# Allegro board SDHCalFEB.brd (continued)
## Nets (continued)
ESD_SIGNAL50_ASIC_D3: C1268.1 R1216.2 U960.3(COM)
ESD_SIGNAL50_ASIC_D4: C1355.1 R1299.2 U1025.3(COM)
ESD_SIGNAL51_ASIC_A1: C51.1 R51.2 U51.3(COM)
ESD_SIGNAL51_ASIC_A2: C138.1 R135.2 U116.3(COM)
ESD_SIGNAL51_ASIC_A3: C225.1 R218.2 U181.3(COM)
ESD_SIGNAL51_ASIC_B1: C399.1 R384.2 U311.3(COM)
ESD_SIGNAL51_ASIC_B5: C486.1 R468.2 U376.3(COM)
ESD_SIGNAL51_ASIC_B6: C573.1 R551.2 U441.3(COM)
ESD_SIGNAL51_ASIC_C1: C747.1 R717.2 U571.3(COM)
ESD_SIGNAL51_ASIC_C2: C834.1 R801.2 U636.3(COM)
ESD_SIGNAL51_ASIC_C3: C921.1 R884.2 U701.3(COM)
ESD_SIGNAL51_ASIC_D1: C1095.1 R1050.2 U831.3(COM)
ESD_SIGNAL51_ASIC_D2: C1182.1 R1134.2 U896.3(COM)
ESD_SIGNAL51_ASIC_D3: C1269.1 R1217.2 U961.3(COM)
ESD_SIGNAL51_ASIC_D4: C1356.1 R1300.2 U1026.3(COM)
ESD_SIGNAL52_ASIC_A1: C52.1 R52.2 U52.3(COM)
ESD_SIGNAL52_ASIC_A2: C139.1 R136.2 U117.3(COM)
ESD_SIGNAL52_ASIC_A3: C226.1 R219.2 U182.3(COM)
ESD_SIGNAL52_ASIC_B1: C400.1 R385.2 U312.3(COM)
ESD_SIGNAL52_ASIC_B5: C487.1 R469.2 U377.3(COM)
ESD_SIGNAL52_ASIC_B6: C574.1 R552.2 U442.3(COM)
ESD_SIGNAL52_ASIC_C1: C748.1 R718.2 U572.3(COM)
ESD_SIGNAL52_ASIC_C2: C835.1 R802.2 U637.3(COM)
ESD_SIGNAL52_ASIC_C3: C922.1 R885.2 U702.3(COM)
ESD_SIGNAL52_ASIC_D1: C1096.1 R1051.2 U832.3(COM)
ESD_SIGNAL52_ASIC_D2: C1183.1 R1135.2 U897.3(COM)
ESD_SIGNAL52_ASIC_D3: C1270.1 R1218.2 U962.3(COM)
ESD_SIGNAL52_ASIC_D4: C1357.1 R1301.2 U1027.3(COM)
ESD_SIGNAL53_ASIC_A1: C53.1 R53.2 U53.3(COM)
ESD_SIGNAL53_ASIC_A2: C140.1 R137.2 U118.3(COM)
ESD_SIGNAL53_ASIC_A3: C227.1 R220.2 U183.3(COM)
ESD_SIGNAL53_ASIC_A4: C314.1 R303.2 U248.3(COM)
ESD_SIGNAL53_ASIC_B1: C401.1 R386.2 U313.3(COM)
ESD_SIGNAL53_ASIC_B5: C488.1 R470.2 U378.3(COM)
ESD_SIGNAL53_ASIC_B6: C575.1 R553.2 U443.3(COM)
ESD_SIGNAL53_ASIC_B7: C662.1 R636.2 U508.3(COM)
ESD_SIGNAL53_ASIC_C1: C749.1 R719.2 U573.3(COM)
ESD_SIGNAL53_ASIC_C2: C836.1 R803.2 U638.3(COM)
ESD_SIGNAL53_ASIC_C3: C923.1 R886.2 U703.3(COM)
ESD_SIGNAL53_ASIC_C4: C1010.1 R969.2 U768.3(COM)
ESD_SIGNAL53_ASIC_D1: C1097.1 R1052.2 U833.3(COM)
ESD_SIGNAL53_ASIC_D2: C1184.1 R1136.2 U898.3(COM)
ESD_SIGNAL53_ASIC_D3: C1271.1 R1219.2 U963.3(COM)
ESD_SIGNAL53_ASIC_D4: C1358.1 R1302.2 U1028.3(COM)
ESD_SIGNAL54_ASIC_A1: C54.1 R54.2 U54.3(COM)
ESD_SIGNAL54_ASIC_A2: C141.1 R138.2 U119.3(COM)
ESD_SIGNAL54_ASIC_A3: C228.1 R221.2 U184.3(COM)
ESD_SIGNAL54_ASIC_A4: C315.1 R304.2 U249.3(COM)
ESD_SIGNAL54_ASIC_B1: C402.1 R387.2 U314.3(COM)
ESD_SIGNAL54_ASIC_B5: C489.1 R471.2 U379.3(COM)
ESD_SIGNAL54_ASIC_B6: C576.1 R554.2 U444.3(COM)
ESD_SIGNAL54_ASIC_B7: C663.1 R637.2 U509.3(COM)
ESD_SIGNAL54_ASIC_C1: C750.1 R720.2 U574.3(COM)
ESD_SIGNAL54_ASIC_C2: C837.1 R804.2 U639.3(COM)
ESD_SIGNAL54_ASIC_C3: C924.1 R887.2 U704.3(COM)
ESD_SIGNAL54_ASIC_C4: C1011.1 R970.2 U769.3(COM)
ESD_SIGNAL54_ASIC_D1: C1098.1 R1053.2 U834.3(COM)
ESD_SIGNAL54_ASIC_D2: C1185.1 R1137.2 U899.3(COM)
ESD_SIGNAL54_ASIC_D3: C1272.1 R1220.2 U964.3(COM)
ESD_SIGNAL54_ASIC_D4: C1359.1 R1303.2 U1029.3(COM)
ESD_SIGNAL55_ASIC_A1: C55.1 R55.2 U55.3(COM)
ESD_SIGNAL55_ASIC_A2: C142.1 R139.2 U120.3(COM)
ESD_SIGNAL55_ASIC_A3: C229.1 R222.2 U185.3(COM)
ESD_SIGNAL55_ASIC_A4: C316.1 R305.2 U250.3(COM)
ESD_SIGNAL55_ASIC_B1: C403.1 R388.2 U315.3(COM)
ESD_SIGNAL55_ASIC_B5: C490.1 R472.2 U380.3(COM)
ESD_SIGNAL55_ASIC_B6: C577.1 R555.2 U445.3(COM)
ESD_SIGNAL55_ASIC_B7: C664.1 R638.2 U510.3(COM)
ESD_SIGNAL55_ASIC_C1: C751.1 R721.2 U575.3(COM)
ESD_SIGNAL55_ASIC_C2: C838.1 R805.2 U640.3(COM)
ESD_SIGNAL55_ASIC_C3: C925.1 R888.2 U705.3(COM)
ESD_SIGNAL55_ASIC_C4: C1012.1 R971.2 U770.3(COM)
ESD_SIGNAL55_ASIC_D1: C1099.1 R1054.2 U835.3(COM)
ESD_SIGNAL55_ASIC_D2: C1186.1 R1138.2 U900.3(COM)
ESD_SIGNAL55_ASIC_D3: C1273.1 R1221.2 U965.3(COM)
ESD_SIGNAL55_ASIC_D4: C1360.1 R1304.2 U1030.3(COM)
ESD_SIGNAL56_ASIC_A1: C56.1 R56.2 U56.3(COM)
ESD_SIGNAL56_ASIC_A2: C143.1 R140.2 U121.3(COM)
ESD_SIGNAL56_ASIC_A3: C230.1 R223.2 U186.3(COM)
ESD_SIGNAL56_ASIC_A4: C317.1 R306.2 U251.3(COM)
ESD_SIGNAL56_ASIC_B1: C404.1 R389.2 U316.3(COM)
ESD_SIGNAL56_ASIC_B5: C491.1 R473.2 U381.3(COM)
ESD_SIGNAL56_ASIC_B6: C578.1 R556.2 U446.3(COM)
ESD_SIGNAL56_ASIC_B7: C665.1 R639.2 U511.3(COM)
ESD_SIGNAL56_ASIC_C1: C752.1 R722.2 U576.3(COM)
ESD_SIGNAL56_ASIC_C2: C839.1 R806.2 U641.3(COM)
ESD_SIGNAL56_ASIC_C3: C926.1 R889.2 U706.3(COM)
ESD_SIGNAL56_ASIC_C4: C1013.1 R972.2 U771.3(COM)
ESD_SIGNAL56_ASIC_D1: C1100.1 R1055.2 U836.3(COM)
ESD_SIGNAL56_ASIC_D2: C1187.1 R1139.2 U901.3(COM)
ESD_SIGNAL56_ASIC_D3: C1274.1 R1222.2 U966.3(COM)
ESD_SIGNAL56_ASIC_D4: C1361.1 R1305.2 U1031.3(COM)
ESD_SIGNAL57_ASIC_A1: C57.1 R57.2 U57.3(COM)
ESD_SIGNAL57_ASIC_A2: C144.1 R141.2 U122.3(COM)
ESD_SIGNAL57_ASIC_A3: C231.1 R224.2 U187.3(COM)
ESD_SIGNAL57_ASIC_A4: C318.1 R307.2 U252.3(COM)
ESD_SIGNAL57_ASIC_B1: C405.1 R390.2 U317.3(COM)
ESD_SIGNAL57_ASIC_B5: C492.1 R474.2 U382.3(COM)
ESD_SIGNAL57_ASIC_B6: C579.1 R557.2 U447.3(COM)
ESD_SIGNAL57_ASIC_B7: C666.1 R640.2 U512.3(COM)
ESD_SIGNAL57_ASIC_C1: C753.1 R723.2 U577.3(COM)
ESD_SIGNAL57_ASIC_C2: C840.1 R807.2 U642.3(COM)
ESD_SIGNAL57_ASIC_C3: C927.1 R890.2 U707.3(COM)
ESD_SIGNAL57_ASIC_C4: C1014.1 R973.2 U772.3(COM)
ESD_SIGNAL57_ASIC_D1: C1101.1 R1056.2 U837.3(COM)
ESD_SIGNAL57_ASIC_D2: C1188.1 R1140.2 U902.3(COM)
ESD_SIGNAL57_ASIC_D3: C1275.1 R1223.2 U967.3(COM)
ESD_SIGNAL57_ASIC_D4: C1362.1 R1306.2 U1032.3(COM)
ESD_SIGNAL58_ASIC_A1: C58.1 R58.2 U58.3(COM)
ESD_SIGNAL58_ASIC_A2: C145.1 R142.2 U123.3(COM)
ESD_SIGNAL58_ASIC_A3: C232.1 R225.2 U188.3(COM)
ESD_SIGNAL58_ASIC_A4: C319.1 R308.2 U253.3(COM)
ESD_SIGNAL58_ASIC_B1: C406.1 R391.2 U318.3(COM)
ESD_SIGNAL58_ASIC_B5: C493.1 R475.2 U383.3(COM)
ESD_SIGNAL58_ASIC_B6: C580.1 R558.2 U448.3(COM)
ESD_SIGNAL58_ASIC_B7: C667.1 R641.2 U513.3(COM)
ESD_SIGNAL58_ASIC_C1: C754.1 R724.2 U578.3(COM)
ESD_SIGNAL58_ASIC_C2: C841.1 R808.2 U643.3(COM)
ESD_SIGNAL58_ASIC_C3: C928.1 R891.2 U708.3(COM)
ESD_SIGNAL58_ASIC_C4: C1015.1 R974.2 U773.3(COM)
ESD_SIGNAL58_ASIC_D1: C1102.1 R1057.2 U838.3(COM)
ESD_SIGNAL58_ASIC_D2: C1189.1 R1141.2 U903.3(COM)
ESD_SIGNAL58_ASIC_D3: C1276.1 R1224.2 U968.3(COM)
ESD_SIGNAL58_ASIC_D4: C1363.1 R1307.2 U1033.3(COM)
ESD_SIGNAL59_ASIC_A1: C59.1 R59.2 U59.3(COM)
ESD_SIGNAL59_ASIC_A2: C146.1 R143.2 U124.3(COM)
ESD_SIGNAL59_ASIC_A3: C233.1 R226.2 U189.3(COM)
ESD_SIGNAL59_ASIC_A4: C320.1 R309.2 U254.3(COM)
ESD_SIGNAL59_ASIC_B1: C407.1 R392.2 U319.3(COM)
ESD_SIGNAL59_ASIC_B5: C494.1 R476.2 U384.3(COM)
ESD_SIGNAL59_ASIC_B6: C581.1 R559.2 U449.3(COM)
ESD_SIGNAL59_ASIC_B7: C668.1 R642.2 U514.3(COM)
ESD_SIGNAL59_ASIC_C1: C755.1 R725.2 U579.3(COM)
ESD_SIGNAL59_ASIC_C2: C842.1 R809.2 U644.3(COM)
ESD_SIGNAL59_ASIC_C3: C929.1 R892.2 U709.3(COM)
ESD_SIGNAL59_ASIC_C4: C1016.1 R975.2 U774.3(COM)
ESD_SIGNAL59_ASIC_D1: C1103.1 R1058.2 U839.3(COM)
ESD_SIGNAL59_ASIC_D2: C1190.1 R1142.2 U904.3(COM)
ESD_SIGNAL59_ASIC_D3: C1277.1 R1225.2 U969.3(COM)
ESD_SIGNAL59_ASIC_D4: C1364.1 R1308.2 U1034.3(COM)
ESD_SIGNAL60_ASIC_A1: C60.1 R60.2 U60.3(COM)
ESD_SIGNAL60_ASIC_A2: C147.1 R144.2 U125.3(COM)
ESD_SIGNAL60_ASIC_A3: C234.1 R227.2 U190.3(COM)
ESD_SIGNAL60_ASIC_A4: C321.1 R310.2 U255.3(COM)
ESD_SIGNAL60_ASIC_B1: C408.1 R393.2 U320.3(COM)
ESD_SIGNAL60_ASIC_B5: C495.1 R477.2 U385.3(COM)
ESD_SIGNAL60_ASIC_B6: C582.1 R560.2 U450.3(COM)
ESD_SIGNAL60_ASIC_B7: C669.1 R643.2 U515.3(COM)
ESD_SIGNAL60_ASIC_C1: C756.1 R726.2 U580.3(COM)
ESD_SIGNAL60_ASIC_C2: C843.1 R810.2 U645.3(COM)
ESD_SIGNAL60_ASIC_C3: C930.1 R893.2 U710.3(COM)
ESD_SIGNAL60_ASIC_C4: C1017.1 R976.2 U775.3(COM)
ESD_SIGNAL60_ASIC_D1: C1104.1 R1059.2 U840.3(COM)
ESD_SIGNAL60_ASIC_D2: C1191.1 R1143.2 U905.3(COM)
ESD_SIGNAL60_ASIC_D3: C1278.1 R1226.2 U970.3(COM)
ESD_SIGNAL60_ASIC_D4: C1365.1 R1309.2 U1035.3(COM)
ESD_SIGNAL61_ASIC_A1: C61.1 R61.2 U61.3(COM)
ESD_SIGNAL61_ASIC_A2: C148.1 R145.2 U126.3(COM)
ESD_SIGNAL61_ASIC_A3: C235.1 R228.2 U191.3(COM)
ESD_SIGNAL61_ASIC_A4: C322.1 R311.2 U256.3(COM)
ESD_SIGNAL61_ASIC_B1: C409.1 R394.2 U321.3(COM)
ESD_SIGNAL61_ASIC_B5: C496.1 R478.2 U386.3(COM)
ESD_SIGNAL61_ASIC_B6: C583.1 R561.2 U451.3(COM)
ESD_SIGNAL61_ASIC_B7: C670.1 R644.2 U516.3(COM)
ESD_SIGNAL61_ASIC_C1: C757.1 R727.2 U581.3(COM)
ESD_SIGNAL61_ASIC_C2: C844.1 R811.2 U646.3(COM)
ESD_SIGNAL61_ASIC_C3: C931.1 R894.2 U711.3(COM)
ESD_SIGNAL61_ASIC_C4: C1018.1 R977.2 U776.3(COM)
ESD_SIGNAL62_ASIC_A1: C62.1 R62.2 U62.3(COM)
ESD_SIGNAL62_ASIC_A2: C149.1 R146.2 U127.3(COM)
ESD_SIGNAL62_ASIC_A3: C236.1 R229.2 U192.3(COM)
ESD_SIGNAL62_ASIC_A4: C323.1 R312.2 U257.3(COM)
ESD_SIGNAL62_ASIC_B1: C410.1 R395.2 U322.3(COM)
ESD_SIGNAL62_ASIC_B5: C497.1 R479.2 U387.3(COM)
ESD_SIGNAL62_ASIC_B6: C584.1 R562.2 U452.3(COM)
ESD_SIGNAL62_ASIC_B7: C671.1 R645.2 U517.3(COM)
ESD_SIGNAL62_ASIC_C1: C758.1 R728.2 U582.3(COM)
ESD_SIGNAL62_ASIC_C2: C845.1 R812.2 U647.3(COM)
ESD_SIGNAL62_ASIC_C3: C932.1 R895.2 U712.3(COM)
ESD_SIGNAL62_ASIC_C4: C1019.1 R978.2 U777.3(COM)
ESD_SIGNAL63_ASIC_A1: C63.1 R63.2 U63.3(COM)
ESD_SIGNAL63_ASIC_A2: C150.1 R147.2 U128.3(COM)
ESD_SIGNAL63_ASIC_A3: C237.1 R230.2 U193.3(COM)
ESD_SIGNAL63_ASIC_A4: C324.1 R313.2 U258.3(COM)
ESD_SIGNAL63_ASIC_B1: C411.1 R396.2 U323.3(COM)
ESD_SIGNAL63_ASIC_B5: C498.1 R480.2 U388.3(COM)
ESD_SIGNAL63_ASIC_B6: C585.1 R563.2 U453.3(COM)
ESD_SIGNAL63_ASIC_B7: C672.1 R646.2 U518.3(COM)
ESD_SIGNAL63_ASIC_C1: C759.1 R729.2 U583.3(COM)
ESD_SIGNAL63_ASIC_C2: C846.1 R813.2 U648.3(COM)
ESD_SIGNAL63_ASIC_C3: C933.1 R896.2 U713.3(COM)
ESD_SIGNAL63_ASIC_C4: C1020.1 R979.2 U778.3(COM)
ESD_SIGNAL64_ASIC_A1: C64.1 R64.2 U64.3(COM)
ESD_SIGNAL64_ASIC_A2: C151.1 R148.2 U129.3(COM)
ESD_SIGNAL64_ASIC_A3: C238.1 R231.2 U194.3(COM)
ESD_SIGNAL64_ASIC_A4: C325.1 R314.2 U259.3(COM)
ESD_SIGNAL64_ASIC_B1: C412.1 R397.2 U324.3(COM)
ESD_SIGNAL64_ASIC_B5: C499.1 R481.2 U389.3(COM)
ESD_SIGNAL64_ASIC_B6: C586.1 R564.2 U454.3(COM)
ESD_SIGNAL64_ASIC_B7: C673.1 R647.2 U519.3(COM)
ESD_SIGNAL64_ASIC_C1: C760.1 R730.2 U584.3(COM)
ESD_SIGNAL64_ASIC_C2: C847.1 R814.2 U649.3(COM)
ESD_SIGNAL64_ASIC_C3: C934.1 R897.2 U714.3(COM)
ESD_SIGNAL64_ASIC_C4: C1021.1 R980.2 U779.3(COM)
GEM_OUT_A1: P1.B1 R1.1 R1410.2
GEM_OUT_A2: P1.A1 R2.1 R1384.2
GEM_OUT_A3: P1.B2 R3.1 R1392.2
GEM_OUT_A4: P1.A2 R4.1 R1400.2
GEM_OUT_A5: P1.B3 R5.1 R1393.2
GEM_OUT_A6: P1.A3 R6.1 R1429.2
GEM_OUT_A7: R7.1 R1640.1
GEM_OUT_A8: P1.A4 R8.1 R1431.2
GEM_OUT_A9: P1.B5 R9.1 R1446.2
GEM_OUT_A10: P1.A5 R10.1 R1418.2
GEM_OUT_A11: P1.A6 R11.1 R1406.2
GEM_OUT_A12: P1.B6 R12.1 R1415.2
GEM_OUT_A13: P1.A7 R13.1 R1388.2
GEM_OUT_A14: P1.A8 R14.1 R1438.2
GEM_OUT_A15: P1.C6 R15.1 R1465.2
GEM_OUT_A16: P1.B7 R16.1 R1417.2
GEM_OUT_A17: P1.B8 R17.1 R1398.2
GEM_OUT_A18: P1.C5 R18.1 R1461.2
GEM_OUT_A19: P1.C7 R19.1 R1469.2
GEM_OUT_A20: P1.C8 R20.1 R1473.2
GEM_OUT_A21: P1.C4 R21.1 R1457.2
GEM_OUT_A22: P1.C3 R22.1 R1427.2
GEM_OUT_A23: P1.C2 R23.1 R1453.2
GEM_OUT_A24: P1.C1 R24.1 R1452.2
GEM_OUT_A25: P1.D5 R25.1 R1493.2
GEM_OUT_A26: P1.D6 R26.1 R1497.2
GEM_OUT_A27: P1.D3 R27.1 R1485.2
GEM_OUT_A28: P1.D2 R28.1 R1481.2
GEM_OUT_A29: P1.D1 R29.1 R1477.2
GEM_OUT_A30: P1.D7 R30.1 R1501.2
GEM_OUT_A31: P1.D4 R31.1 R1489.2
GEM_OUT_A32: P1.D8 R32.1 R1505.2
GEM_OUT_A33: P1.E8 R33.1 R1537.2
GEM_OUT_A34: P1.E5 R34.1 R1525.2
GEM_OUT_A35: P1.E7 R35.1 R1533.2
GEM_OUT_A36: P1.E4 R36.1 R1521.2
GEM_OUT_A37: P1.E1 R37.1 R1509.2
GEM_OUT_A38: P1.E2 R38.1 R1513.2
GEM_OUT_A39: P1.E3 R39.1 R1517.2
GEM_OUT_A40: P1.E6 R40.1 R1529.2
GEM_OUT_A41: P1.F8 R41.1 R1569.2
GEM_OUT_A42: P1.F5 R42.1 R1557.2
GEM_OUT_A43: P1.G8 R43.1 R1600.2
GEM_OUT_A44: P1.F7 R44.1 R1565.2
GEM_OUT_A45: P1.F4 R45.1 R1553.2
GEM_OUT_A46: P1.G7 R46.1 R1596.2
GEM_OUT_A47: P1.F1 R47.1 R1541.2
GEM_OUT_A48: P1.F2 R48.1 R1545.2
GEM_OUT_A49: P1.F3 R49.1 R1549.2
GEM_OUT_A50: P1.F6 R50.1 R1561.2
GEM_OUT_A51: P1.H8 R51.1 R1632.2
GEM_OUT_A52: P1.H7 R52.1 R1628.2
GEM_OUT_A53: P1.G6 R53.1 R1592.2
GEM_OUT_A54: P1.H6 R54.1 R1624.2
GEM_OUT_A55: P1.H5 R55.1 R1620.2
GEM_OUT_A56: P1.G5 R56.1 R1588.2
GEM_OUT_A57: P1.H4 R57.1 R1616.2
GEM_OUT_A58: P1.H3 R58.1 R1612.2
GEM_OUT_A59: P1.H2 R59.1 R1608.2
GEM_OUT_A60: P1.H1 R60.1 R1604.2
GEM_OUT_A61: P1.G1 R61.1 R1573.2
GEM_OUT_A62: P1.G2 R62.1 R1577.2
GEM_OUT_A63: P1.G3 R63.1 R1581.2
GEM_OUT_A64: P1.G4 R64.1 R1584.2
GEM_OUT_B1: P1.B9 R85.1 R1390.2
GEM_OUT_B2: P1.A9 R86.1 R1399.2
GEM_OUT_B3: P1.B10 R87.1 R1441.2
GEM_OUT_B4: P1.A10 R88.1 R1401.2
GEM_OUT_B5: P1.B11 R89.1 R1443.2
GEM_OUT_B6: P1.A11 R90.1 R1403.2
GEM_OUT_B7: P1.B12 R91.1 R1412.2
GEM_OUT_B8: P1.A12 R92.1 R1386.2
GEM_OUT_B9: P1.B13 R93.1 R1414.2
GEM_OUT_B10: P1.A13 R94.1 R1433.2
GEM_OUT_B11: P1.A14 R95.1 R1435.2
GEM_OUT_B12: P1.B14 R96.1 R1416.2
GEM_OUT_B13: R97.1 R1641.1
GEM_OUT_B14: P1.A16 R98.1 R1408.2
GEM_OUT_B15: P1.C14 R99.1 R1466.2
GEM_OUT_B16: P1.B15 R100.1 R1397.2
GEM_OUT_B17: P1.B16 R101.1 R1450.2
GEM_OUT_B18: P1.C13 R102.1 R1462.2
GEM_OUT_B19: P1.C15 R103.1 R1470.2
GEM_OUT_B20: P1.C16 R104.1 R1474.2
GEM_OUT_B21: P1.C12 R105.1 R1458.2
GEM_OUT_B22: P1.C11 R106.1 R1428.2
GEM_OUT_B23: P1.C10 R107.1 R1425.2
GEM_OUT_B24: P1.C9 R108.1 R1422.2
GEM_OUT_B25: P1.D13 R109.1 R1494.2
GEM_OUT_B26: P1.D14 R110.1 R1498.2
GEM_OUT_B27: P1.D11 R111.1 R1486.2
GEM_OUT_B28: P1.D10 R112.1 R1482.2
GEM_OUT_B29: P1.D9 R113.1 R1478.2
GEM_OUT_B30: P1.D15 R114.1 R1502.2
GEM_OUT_B31: P1.D12 R115.1 R1490.2
GEM_OUT_B32: P1.D16 R116.1 R1506.2
GEM_OUT_B33: P1.E16 R117.1 R1538.2
GEM_OUT_B34: P1.E13 R118.1 R1526.2
GEM_OUT_B35: P1.E15 R119.1 R1534.2
GEM_OUT_B36: P1.E12 R120.1 R1522.2
GEM_OUT_B37: P1.E9 R121.1 R1510.2
GEM_OUT_B38: P1.E10 R122.1 R1514.2
GEM_OUT_B39: P1.E11 R123.1 R1518.2
GEM_OUT_B40: P1.E14 R124.1 R1530.2
GEM_OUT_B41: P1.F16 R125.1 R1570.2
GEM_OUT_B42: P1.F13 R126.1 R1558.2
GEM_OUT_B43: P1.G16 R127.1 R1601.2
GEM_OUT_B44: P1.F15 R128.1 R1566.2
GEM_OUT_B45: P1.F12 R129.1 R1554.2
GEM_OUT_B46: P1.G15 R130.1 R1597.2
GEM_OUT_B47: P1.F9 R131.1 R1542.2
GEM_OUT_B48: P1.F10 R132.1 R1546.2
GEM_OUT_B49: P1.F11 R133.1 R1550.2
GEM_OUT_B50: P1.F14 R134.1 R1562.2
GEM_OUT_B51: P1.H16 R135.1 R1633.2
GEM_OUT_B52: P1.H15 R136.1 R1629.2
GEM_OUT_B53: P1.G14 R137.1 R1593.2
GEM_OUT_B54: P1.H14 R138.1 R1625.2
GEM_OUT_B55: P1.H13 R139.1 R1621.2
GEM_OUT_B56: P1.G13 R140.1 R1589.2
GEM_OUT_B57: P1.H12 R141.1 R1617.2
GEM_OUT_B58: P1.H11 R142.1 R1613.2
GEM_OUT_B59: P1.H10 R143.1 R1609.2
GEM_OUT_B60: P1.H9 R144.1 R1605.2
GEM_OUT_B61: P1.G9 R145.1 R1574.2
GEM_OUT_B62: P1.G10 R146.1 R1578.2
GEM_OUT_B63: P1.G11 R147.1 R1582.2
GEM_OUT_B64: P1.G12 R148.1 R1585.2
GEM_OUT_C1: P1.B17 R168.1 R1442.2
GEM_OUT_C2: P1.A17 R169.1 R1402.2
GEM_OUT_C3: P1.B18 R170.1 R1411.2
GEM_OUT_C4: P1.A18 R171.1 R1385.2
GEM_OUT_C5: P1.B19 R172.1 R1413.2
GEM_OUT_C6: P1.A19 R173.1 R1432.2
GEM_OUT_C7: P1.B20 R174.1 R1395.2
GEM_OUT_C8: P1.A20 R175.1 R1434.2
GEM_OUT_C9: P1.B21 R176.1 R1396.2
GEM_OUT_C10: P1.A21 R177.1 R1436.2
GEM_OUT_C11: P1.A22 R178.1 R1407.2
GEM_OUT_C12: P1.B22 R179.1 R1449.2
GEM_OUT_C13: R180.1 R1642.1
GEM_OUT_C14: P1.A24 R181.1 R1391.2
GEM_OUT_C15: P1.C22 R182.1 R1471.2
GEM_OUT_C16: P1.B23 R183.1 R1451.2
GEM_OUT_C17: P1.B24 R184.1 R1423.2
GEM_OUT_C18: P1.C21 R185.1 R1467.2
GEM_OUT_C19: P1.C23 R186.1 R1475.2
GEM_OUT_C20: P1.C24 R187.1 R1479.2
GEM_OUT_C21: P1.C20 R188.1 R1463.2
GEM_OUT_C22: P1.C19 R189.1 R1459.2
GEM_OUT_C23: P1.C18 R190.1 R1455.2
GEM_OUT_C24: P1.C17 R191.1 R1426.2
GEM_OUT_C25: P1.D21 R192.1 R1499.2
GEM_OUT_C26: P1.D22 R193.1 R1503.2
GEM_OUT_C27: P1.D19 R194.1 R1491.2
GEM_OUT_C28: P1.D18 R195.1 R1487.2
GEM_OUT_C29: P1.D17 R196.1 R1483.2
GEM_OUT_C30: P1.D23 R197.1 R1507.2
GEM_OUT_C31: P1.D20 R198.1 R1495.2
GEM_OUT_C32: P1.D24 R199.1 R1511.2
GEM_OUT_C33: P1.E24 R200.1 R1543.2
GEM_OUT_C34: P1.E21 R201.1 R1531.2
GEM_OUT_C35: P1.E23 R202.1 R1539.2
GEM_OUT_C36: P1.E20 R203.1 R1527.2
GEM_OUT_C37: P1.E17 R204.1 R1515.2
GEM_OUT_C38: P1.E18 R205.1 R1519.2
GEM_OUT_C39: P1.E19 R206.1 R1523.2
GEM_OUT_C40: P1.E22 R207.1 R1535.2
GEM_OUT_C41: P1.F24 R208.1 R1575.2
GEM_OUT_C42: P1.F21 R209.1 R1563.2
GEM_OUT_C43: P1.G24 R210.1 R1606.2
GEM_OUT_C44: P1.F23 R211.1 R1571.2
GEM_OUT_C45: P1.F20 R212.1 R1559.2
GEM_OUT_C46: P1.G23 R213.1 R1602.2
GEM_OUT_C47: P1.F17 R214.1 R1547.2
GEM_OUT_C48: P1.F18 R215.1 R1551.2
GEM_OUT_C49: P1.F19 R216.1 R1555.2
GEM_OUT_C50: P1.F22 R217.1 R1567.2
GEM_OUT_C51: P1.H24 R218.1 R1636.2
GEM_OUT_C52: P1.H23 R219.1 R1634.2
GEM_OUT_C53: P1.G22 R220.1 R1598.2
GEM_OUT_C54: P1.H22 R221.1 R1630.2
GEM_OUT_C55: P1.H21 R222.1 R1626.2
GEM_OUT_C56: P1.G21 R223.1 R1594.2
GEM_OUT_C57: P1.H20 R224.1 R1622.2
GEM_OUT_C58: P1.H19 R225.1 R1618.2
GEM_OUT_C59: P1.H18 R226.1 R1614.2
GEM_OUT_C60: P1.H17 R227.1 R1610.2
GEM_OUT_C61: P1.G17 R228.1 R1579.2
GEM_OUT_C62: P1.G18 R229.1 R1583.2
GEM_OUT_C63: P1.G19 R230.1 R1586.2
GEM_OUT_C64: P1.G20 R231.1 R1590.2
GEM_OUT_D1: P1.B25 R251.1 R1440.2
GEM_OUT_D2: P1.A25 R252.1 R1430.2
GEM_OUT_D3: P1.B26 R253.1 R1419.2
GEM_OUT_D4: P1.A26 R254.1 R1404.2
GEM_OUT_D5: P1.B27 R255.1 R1394.2
GEM_OUT_D6: P1.A27 R256.1 R1405.2
GEM_OUT_D7: P1.B28 R257.1 R1445.2
GEM_OUT_D8: P1.A28 R258.1 R1387.2
GEM_OUT_D9: P1.B29 R259.1 R1447.2
GEM_OUT_D10: P1.A29 R260.1 R1389.2
GEM_OUT_D11: P1.A30 R261.1 R1439.2
GEM_OUT_D12: P1.B30 R262.1 R1448.2
GEM_OUT_D15: P1.C30 R265.1 R1460.2
GEM_OUT_D18: P1.C29 R268.1 R1456.2
GEM_OUT_D21: P1.C28 R271.1 R1454.2
GEM_OUT_D22: P1.C27 R272.1 R1424.2
GEM_OUT_D23: P1.C26 R273.1 R1421.2
GEM_OUT_D24: P1.C25 R274.1 R1420.2
GEM_OUT_D25: R275.1 R1643.1
GEM_OUT_D26: P1.D30 R276.1 R1484.2
GEM_OUT_D27: P1.D27 R277.1 R1472.2
GEM_OUT_D28: P1.D26 R278.1 R1468.2
GEM_OUT_D29: P1.D25 R279.1 R1464.2
GEM_OUT_D31: P1.D29 R281.1 R1480.2
GEM_OUT_D34: P1.E30 R284.1 R1508.2
GEM_OUT_D36: P1.E29 R286.1 R1504.2
GEM_OUT_D37: P1.E25 R287.1 R1488.2
GEM_OUT_D38: P1.E26 R288.1 R1492.2
GEM_OUT_D39: P1.E27 R289.1 R1496.2
GEM_OUT_D40: P1.E28 R290.1 R1500.2
GEM_OUT_D42: P1.F29 R292.1 R1528.2
GEM_OUT_D45: P1.F28 R295.1 R1524.2
GEM_OUT_D47: P1.F25 R297.1 R1512.2
GEM_OUT_D48: P1.F26 R298.1 R1516.2
GEM_OUT_D49: P1.F27 R299.1 R1520.2
GEM_OUT_D50: P1.F30 R300.1 R1532.2
GEM_OUT_D53: P1.G30 R303.1 R1556.2
GEM_OUT_D54: P1.H30 R304.1 R1580.2
GEM_OUT_D55: P1.H29 R305.1 R1576.2
GEM_OUT_D56: P1.G29 R306.1 R1552.2
GEM_OUT_D57: P1.H28 R307.1 R1572.2
GEM_OUT_D58: P1.H27 R308.1 R1568.2
GEM_OUT_D59: P1.H26 R309.1 R1564.2
GEM_OUT_D60: P1.H25 R310.1 R1560.2
GEM_OUT_D61: P1.G25 R311.1 R1536.2
GEM_OUT_D62: P1.G26 R312.1 R1540.2
GEM_OUT_D63: P1.G27 R313.1 R1544.2
GEM_OUT_D64: P1.G28 R314.1 R1548.2
GEM_OUT_E1: P1.K1 R334.1 R1666.2
GEM_OUT_E2: P1.J1 R335.1 R1648.2
GEM_OUT_E3: P1.K2 R336.1 R1668.2
GEM_OUT_E4: R337.1 R1904.1
GEM_OUT_E5: P1.K3 R338.1 R1700.2
GEM_OUT_E6: P1.J3 R339.1 R1652.2
GEM_OUT_E7: P1.K4 R340.1 R1702.2
GEM_OUT_E8: P1.J4 R341.1 R1654.2
GEM_OUT_E9: P1.K5 R342.1 R1675.2
GEM_OUT_E10: P1.J5 R343.1 R1657.2
GEM_OUT_E11: P1.J6 R344.1 R1711.2
GEM_OUT_E12: P1.K6 R345.1 R1678.2
GEM_OUT_E13: P1.J7 R346.1 R1696.2
GEM_OUT_E14: P1.J8 R347.1 R1697.2
GEM_OUT_E15: P1.L6 R348.1 R1729.2
GEM_OUT_E16: P1.K7 R349.1 R1680.2
GEM_OUT_E17: P1.K8 R350.1 R1682.2
GEM_OUT_E18: P1.L5 R351.1 R1725.2
GEM_OUT_E19: P1.L7 R352.1 R1733.2
GEM_OUT_E20: P1.L8 R353.1 R1737.2
GEM_OUT_E21: P1.L4 R354.1 R1721.2
GEM_OUT_E22: P1.L3 R355.1 R1690.2
GEM_OUT_E23: P1.L2 R356.1 R1688.2
GEM_OUT_E24: P1.L1 R357.1 R1685.2
GEM_OUT_E25: P1.M5 R358.1 R1757.2
GEM_OUT_E26: P1.M6 R359.1 R1761.2
GEM_OUT_E27: P1.M3 R360.1 R1749.2
GEM_OUT_E28: P1.M2 R361.1 R1745.2
GEM_OUT_E29: P1.M1 R362.1 R1741.2
GEM_OUT_E30: P1.M7 R363.1 R1765.2
GEM_OUT_E31: P1.M4 R364.1 R1753.2
GEM_OUT_E32: P1.M8 R365.1 R1769.2
GEM_OUT_E33: P1.N8 R366.1 R1801.2
GEM_OUT_E34: P1.N5 R367.1 R1789.2
GEM_OUT_E35: P1.N7 R368.1 R1797.2
GEM_OUT_E36: P1.N4 R369.1 R1785.2
GEM_OUT_E37: P1.N1 R370.1 R1773.2
GEM_OUT_E38: P1.N2 R371.1 R1777.2
GEM_OUT_E39: P1.N3 R372.1 R1781.2
GEM_OUT_E40: P1.N6 R373.1 R1793.2
GEM_OUT_E41: P1.P8 R374.1 R1833.2
GEM_OUT_E42: P1.P5 R375.1 R1821.2
GEM_OUT_E43: P1.Q8 R376.1 R1864.2
GEM_OUT_E44: P1.P7 R377.1 R1829.2
GEM_OUT_E45: P1.P4 R378.1 R1817.2
GEM_OUT_E46: P1.Q7 R379.1 R1860.2
GEM_OUT_E47: P1.P1 R380.1 R1805.2
GEM_OUT_E48: P1.P2 R381.1 R1809.2
GEM_OUT_E49: P1.P3 R382.1 R1813.2
GEM_OUT_E50: P1.P6 R383.1 R1825.2
GEM_OUT_E51: P1.R8 R384.1 R1896.2
GEM_OUT_E52: P1.R7 R385.1 R1892.2
GEM_OUT_E53: P1.Q6 R386.1 R1856.2
GEM_OUT_E54: P1.R6 R387.1 R1888.2
GEM_OUT_E55: P1.R5 R388.1 R1884.2
GEM_OUT_E56: P1.Q5 R389.1 R1852.2
GEM_OUT_E57: P1.R4 R390.1 R1880.2
GEM_OUT_E58: P1.R3 R391.1 R1876.2
GEM_OUT_E59: P1.R2 R392.1 R1872.2
GEM_OUT_E60: P1.R1 R393.1 R1868.2
GEM_OUT_E61: P1.Q1 R394.1 R1837.2
GEM_OUT_E62: P1.Q2 R395.1 R1841.2
GEM_OUT_E63: P1.Q3 R396.1 R1844.2
GEM_OUT_E64: P1.Q4 R397.1 R1848.2
GEM_OUT_F1: P1.K9 R418.1 R1699.2
GEM_OUT_F2: P1.J9 R419.1 R1650.2
GEM_OUT_F3: P1.K10 R420.1 R1701.2
GEM_OUT_F4: R421.1 R1905.1
GEM_OUT_F5: P1.K11 R422.1 R1673.2
GEM_OUT_F6: P1.J11 R423.1 R1655.2
GEM_OUT_F7: P1.K12 R424.1 R1676.2
GEM_OUT_F8: P1.J12 R425.1 R1705.2
GEM_OUT_F9: P1.K13 R426.1 R1679.2
GEM_OUT_F10: P1.J13 R427.1 R1695.2
GEM_OUT_F11: P1.J14 R428.1 R1661.2
GEM_OUT_F12: P1.K14 R429.1 R1716.2
GEM_OUT_F13: P1.J15 R430.1 R1664.2
GEM_OUT_F14: P1.J16 R431.1 R1667.2
GEM_OUT_F15: P1.L14 R432.1 R1734.2
GEM_OUT_F16: P1.K15 R433.1 R1707.2
GEM_OUT_F17: P1.K16 R434.1 R1708.2
GEM_OUT_F18: P1.L13 R435.1 R1730.2
GEM_OUT_F19: P1.L15 R436.1 R1738.2
GEM_OUT_F20: P1.L16 R437.1 R1742.2
GEM_OUT_F21: P1.L12 R438.1 R1726.2
GEM_OUT_F22: P1.L11 R439.1 R1722.2
GEM_OUT_F23: P1.L10 R440.1 R1709.2
GEM_OUT_F24: P1.L9 R441.1 R1689.2
GEM_OUT_F25: P1.M13 R442.1 R1762.2
GEM_OUT_F26: P1.M14 R443.1 R1766.2
GEM_OUT_F27: P1.M11 R444.1 R1754.2
GEM_OUT_F28: P1.M10 R445.1 R1750.2
GEM_OUT_F29: P1.M9 R446.1 R1746.2
GEM_OUT_F30: P1.M15 R447.1 R1770.2
GEM_OUT_F31: P1.M12 R448.1 R1758.2
GEM_OUT_F32: P1.M16 R449.1 R1774.2
GEM_OUT_F33: P1.N16 R450.1 R1806.2
GEM_OUT_F34: P1.N13 R451.1 R1794.2
GEM_OUT_F35: P1.N15 R452.1 R1802.2
GEM_OUT_F36: P1.N12 R453.1 R1790.2
GEM_OUT_F37: P1.N9 R454.1 R1778.2
GEM_OUT_F38: P1.N10 R455.1 R1782.2
GEM_OUT_F39: P1.N11 R456.1 R1786.2
GEM_OUT_F40: P1.N14 R457.1 R1798.2
GEM_OUT_F41: P1.P16 R458.1 R1838.2
GEM_OUT_F42: P1.P13 R459.1 R1826.2
GEM_OUT_F43: P1.Q16 R460.1 R1869.2
GEM_OUT_F44: P1.P15 R461.1 R1834.2
GEM_OUT_F45: P1.P12 R462.1 R1822.2
GEM_OUT_F46: P1.Q15 R463.1 R1865.2
GEM_OUT_F47: P1.P9 R464.1 R1810.2
GEM_OUT_F48: P1.P10 R465.1 R1814.2
GEM_OUT_F49: P1.P11 R466.1 R1818.2
GEM_OUT_F50: P1.P14 R467.1 R1830.2
GEM_OUT_F51: P1.R16 R468.1 R1900.2
GEM_OUT_F52: P1.R15 R469.1 R1897.2
GEM_OUT_F53: P1.Q14 R470.1 R1861.2
GEM_OUT_F54: P1.R14 R471.1 R1893.2
GEM_OUT_F55: P1.R13 R472.1 R1889.2
GEM_OUT_F56: P1.Q13 R473.1 R1857.2
GEM_OUT_F57: P1.R12 R474.1 R1885.2
GEM_OUT_F58: P1.R11 R475.1 R1881.2
GEM_OUT_F59: P1.R10 R476.1 R1877.2
GEM_OUT_F60: P1.R9 R477.1 R1873.2
GEM_OUT_F61: P1.Q9 R478.1 R1842.2
GEM_OUT_F62: P1.Q10 R479.1 R1845.2
GEM_OUT_F63: P1.Q11 R480.1 R1849.2
GEM_OUT_F64: P1.Q12 R481.1 R1853.2
GEM_OUT_G1: P1.K17 R501.1 R1669.2
GEM_OUT_G2: P1.J17 R502.1 R1651.2
GEM_OUT_G3: P1.K18 R503.1 R1671.2
GEM_OUT_G4: R504.1 R1906.1
GEM_OUT_G5: P1.K19 R505.1 R1674.2
GEM_OUT_G6: P1.J19 R506.1 R1693.2
GEM_OUT_G7: P1.K20 R507.1 R1677.2
GEM_OUT_G8: P1.J20 R508.1 R1694.2
GEM_OUT_G9: P1.K21 R509.1 R1715.2
GEM_OUT_G10: P1.J21 R510.1 R1659.2
GEM_OUT_G11: P1.J22 R511.1 R1662.2
GEM_OUT_G12: P1.K22 R512.1 R1704.2
GEM_OUT_G13: P1.J23 R513.1 R1665.2
GEM_OUT_G14: P1.J24 R514.1 R1713.2
GEM_OUT_G15: P1.L22 R515.1 R1735.2
GEM_OUT_G16: P1.K23 R516.1 R1683.2
GEM_OUT_G17: P1.K24 R517.1 R1686.2
GEM_OUT_G18: P1.L21 R518.1 R1731.2
GEM_OUT_G19: P1.L23 R519.1 R1739.2
GEM_OUT_G20: P1.L24 R520.1 R1743.2
GEM_OUT_G21: P1.L20 R521.1 R1727.2
GEM_OUT_G22: P1.L19 R522.1 R1723.2
GEM_OUT_G23: P1.L18 R523.1 R1719.2
GEM_OUT_G24: P1.L17 R524.1 R1717.2
GEM_OUT_G25: P1.M21 R525.1 R1763.2
GEM_OUT_G26: P1.M22 R526.1 R1767.2
GEM_OUT_G27: P1.M19 R527.1 R1755.2
GEM_OUT_G28: P1.M18 R528.1 R1751.2
GEM_OUT_G29: P1.M17 R529.1 R1747.2
GEM_OUT_G30: P1.M23 R530.1 R1771.2
GEM_OUT_G31: P1.M20 R531.1 R1759.2
GEM_OUT_G32: P1.M24 R532.1 R1775.2
GEM_OUT_G33: P1.N24 R533.1 R1807.2
GEM_OUT_G34: P1.N21 R534.1 R1795.2
GEM_OUT_G35: P1.N23 R535.1 R1803.2
GEM_OUT_G36: P1.N20 R536.1 R1791.2
GEM_OUT_G37: P1.N17 R537.1 R1779.2
GEM_OUT_G38: P1.N18 R538.1 R1783.2
GEM_OUT_G39: P1.N19 R539.1 R1787.2
GEM_OUT_G40: P1.N22 R540.1 R1799.2
GEM_OUT_G41: P1.P24 R541.1 R1839.2
GEM_OUT_G42: P1.P21 R542.1 R1827.2
GEM_OUT_G43: P1.Q24 R543.1 R1870.2
GEM_OUT_G44: P1.P23 R544.1 R1835.2
GEM_OUT_G45: P1.P20 R545.1 R1823.2
GEM_OUT_G46: P1.Q23 R546.1 R1866.2
GEM_OUT_G47: P1.P17 R547.1 R1811.2
GEM_OUT_G48: P1.P18 R548.1 R1815.2
GEM_OUT_G49: P1.P19 R549.1 R1819.2
GEM_OUT_G50: P1.P22 R550.1 R1831.2
GEM_OUT_G51: P1.R24 R551.1 R1901.2
GEM_OUT_G52: P1.R23 R552.1 R1898.2
GEM_OUT_G53: P1.Q22 R553.1 R1862.2
GEM_OUT_G54: P1.R22 R554.1 R1894.2
GEM_OUT_G55: P1.R21 R555.1 R1890.2
GEM_OUT_G56: P1.Q21 R556.1 R1858.2
GEM_OUT_G57: P1.R20 R557.1 R1886.2
GEM_OUT_G58: P1.R19 R558.1 R1882.2
GEM_OUT_G59: P1.R18 R559.1 R1878.2
GEM_OUT_G60: P1.R17 R560.1 R1874.2
GEM_OUT_G61: P1.Q17 R561.1 R1843.2
GEM_OUT_G62: P1.Q18 R562.1 R1846.2
GEM_OUT_G63: P1.Q19 R563.1 R1850.2
GEM_OUT_G64: P1.Q20 R564.1 R1854.2
GEM_OUT_H1: P1.K25 R584.1 R1712.2
GEM_OUT_H2: P1.J25 R585.1 R1691.2
GEM_OUT_H3: P1.K26 R586.1 R1698.2
GEM_OUT_H4: R587.1 R1907.1
GEM_OUT_H5: P1.K27 R588.1 R1670.2
GEM_OUT_H6: P1.J27 R589.1 R1656.2
GEM_OUT_H7: P1.K28 R590.1 R1672.2
GEM_OUT_H8: P1.J28 R591.1 R1658.2
GEM_OUT_H9: P1.K29 R592.1 R1714.2
GEM_OUT_H10: P1.J29 R593.1 R1660.2
